# KiCad board polyPath.kicad_pcb
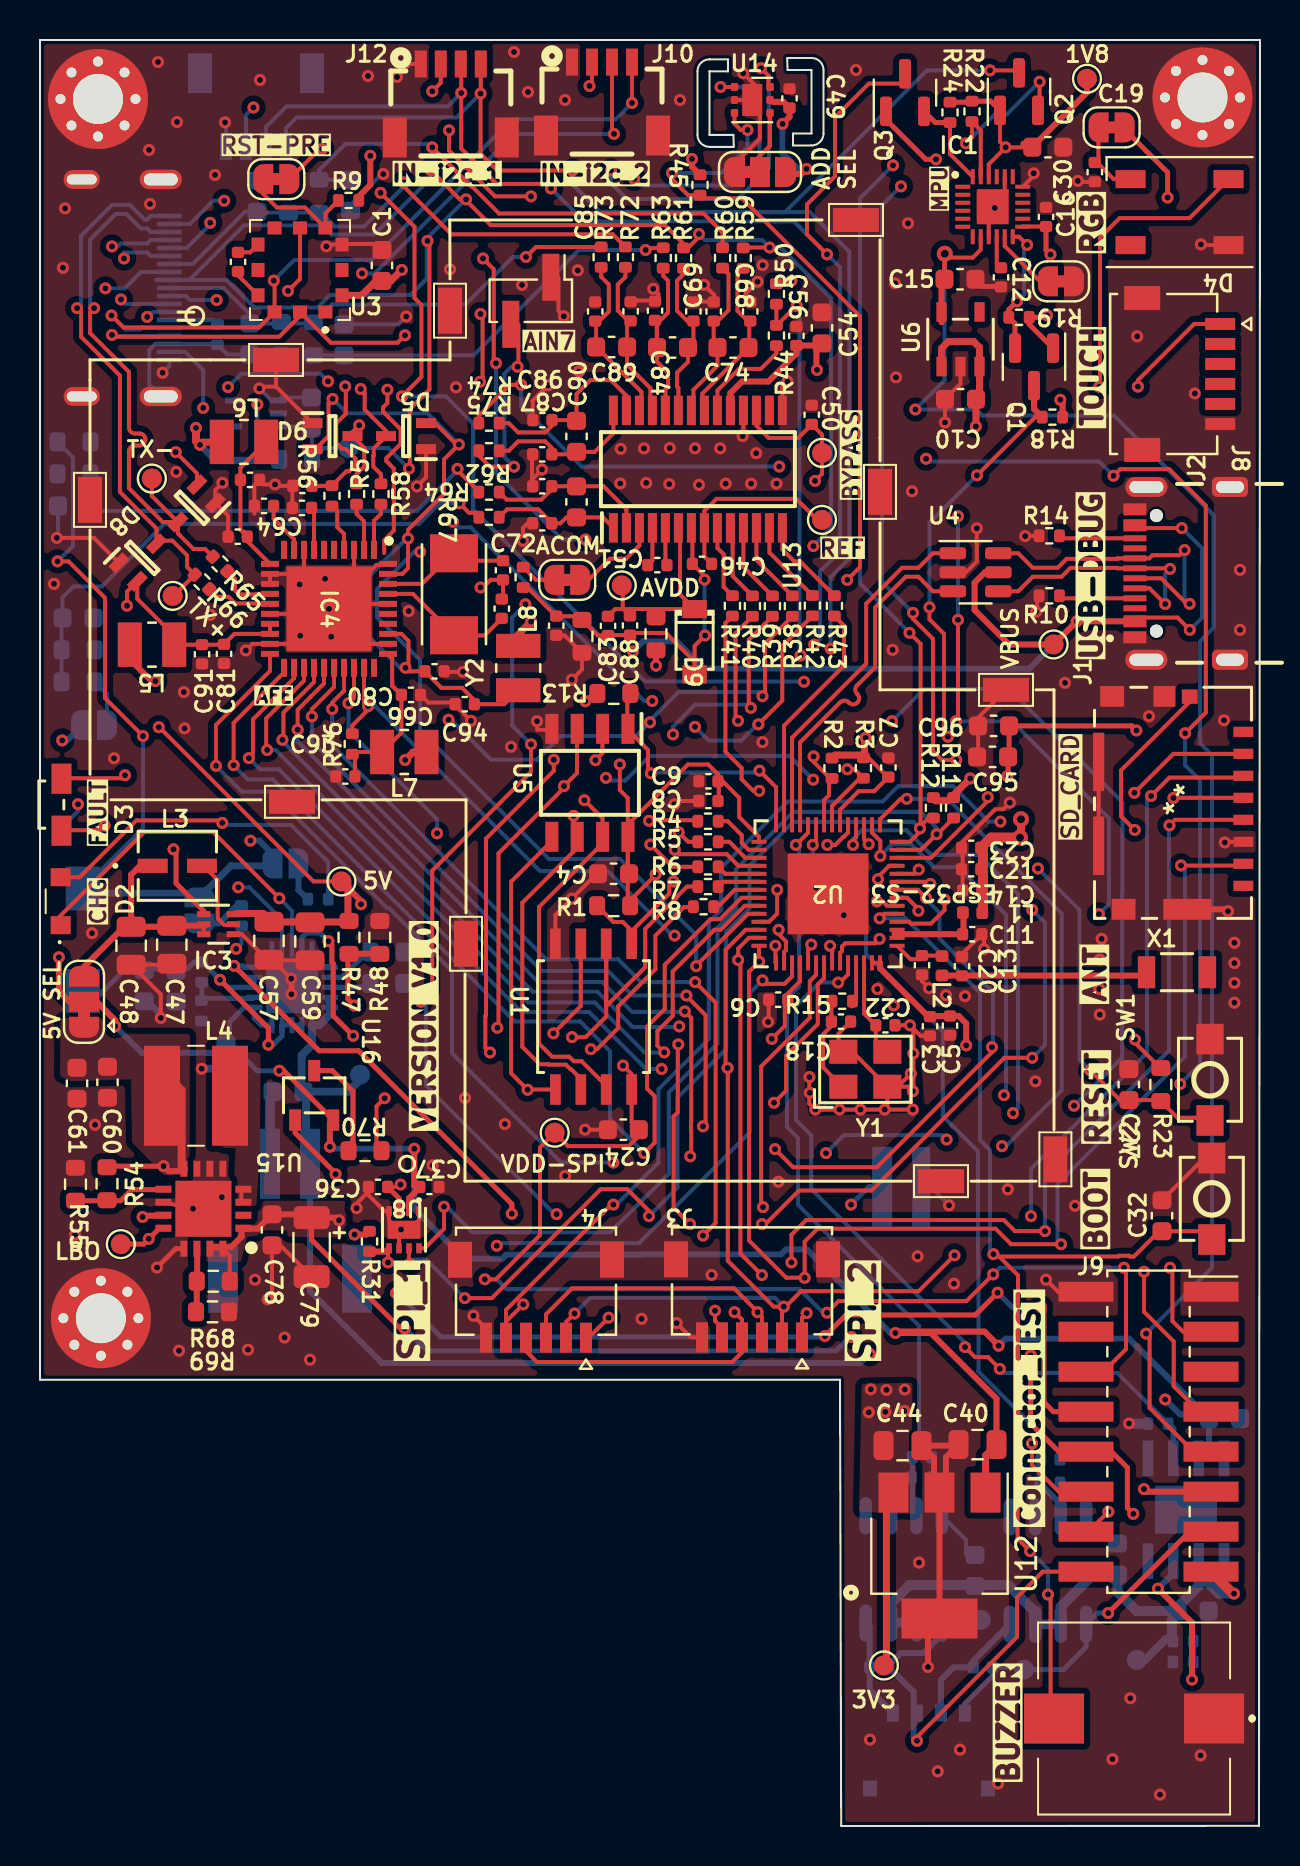
[diagram p0: board, top side]
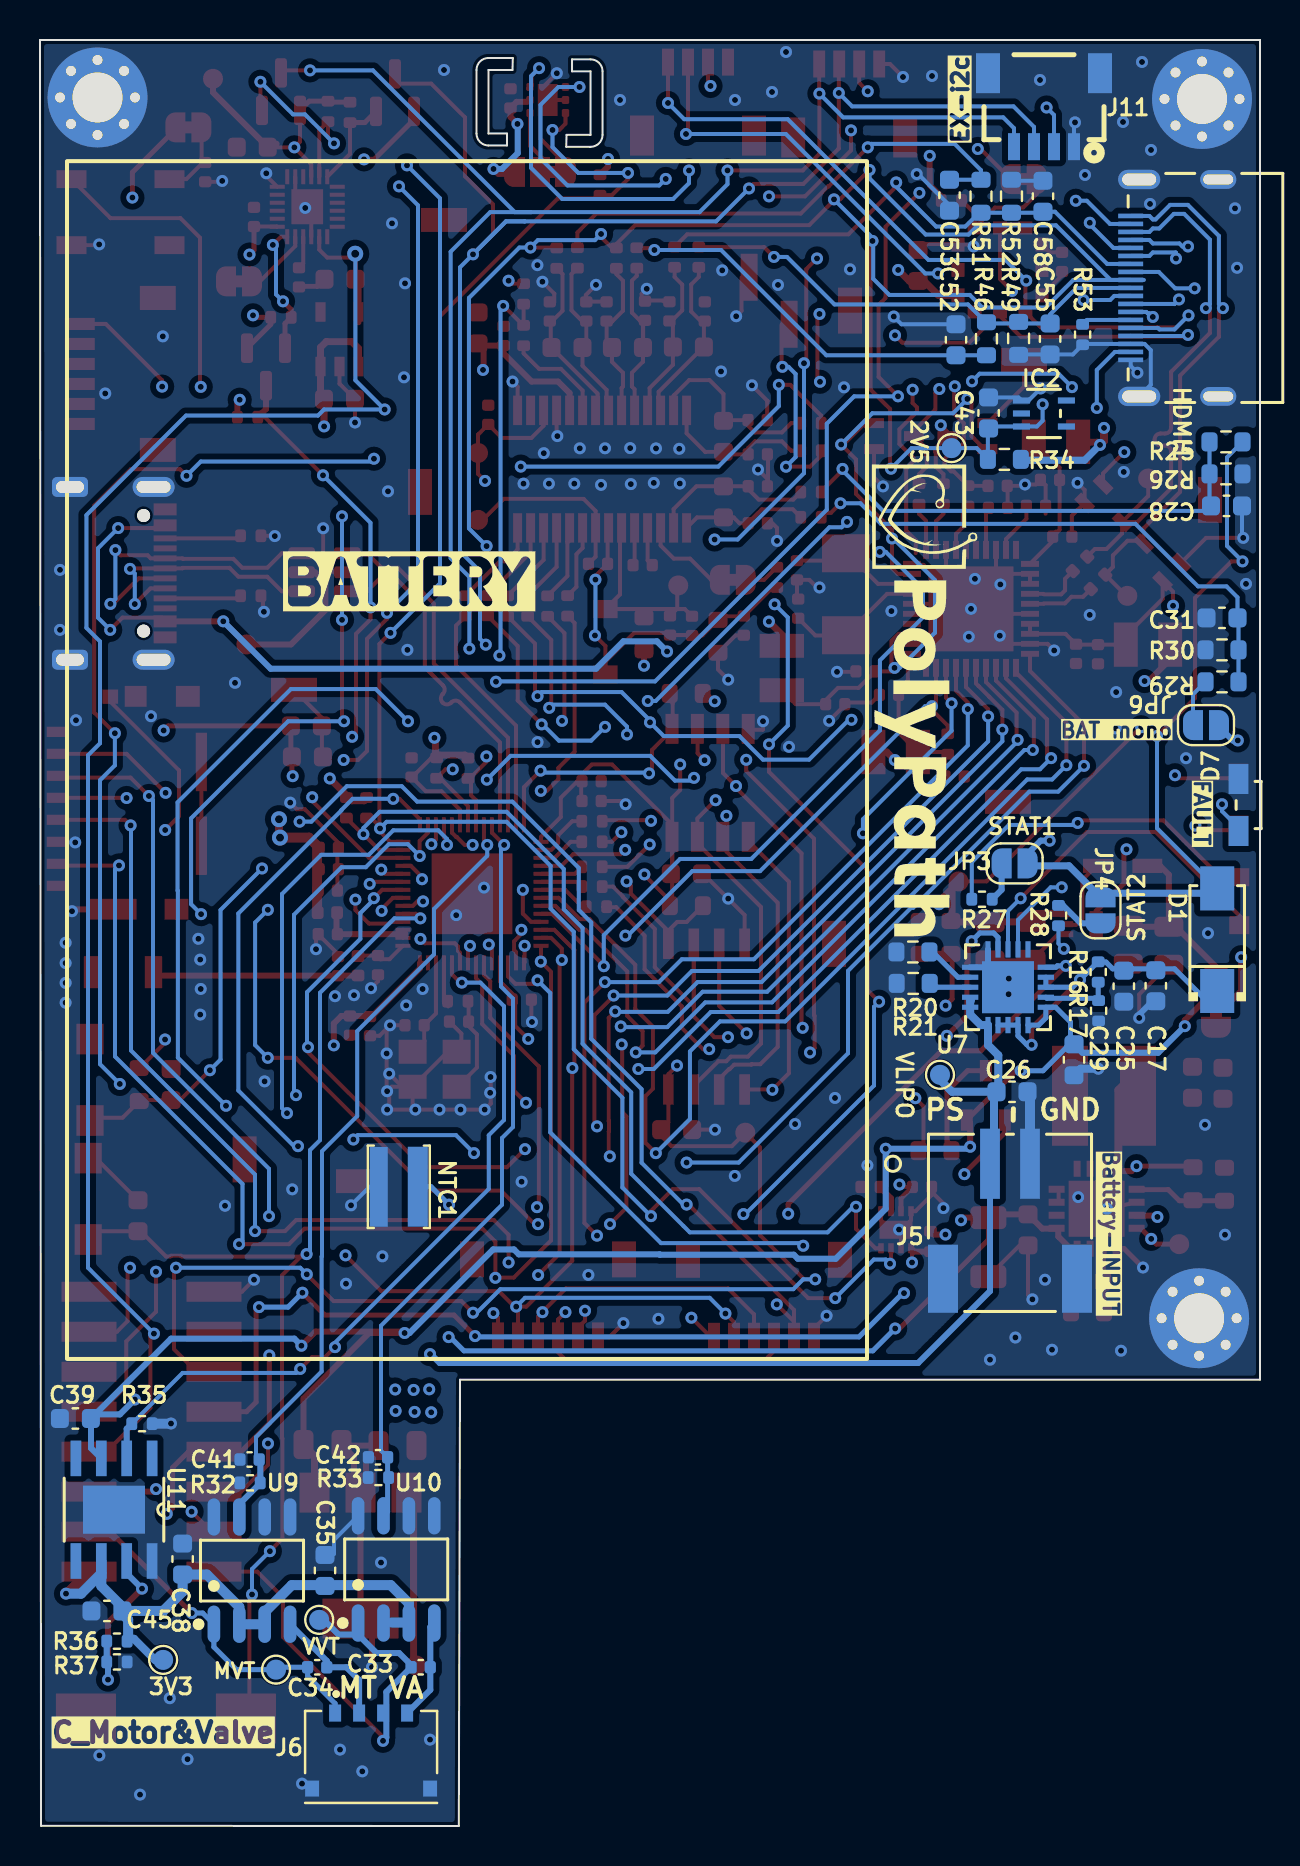
[diagram p1: board, bottom side, seen from below]

Outline 61 x 89.32 mm; copper layers: Top, In1.Cu, In2.Cu, Bottom. Coordinates in mm from the lower left corner of the outline.
Outline path: 0,89.32 0,22.32 40,22.32 40.06,0 60.95,0.01 61,89.32 0,89.32 ; 32.87,87.75 arc(33.05,88.18) 33.47,88.35 34.4,88.35 34.4,87.75 33.47,87.75 33.47,84.58 34.67,84.58 34.69,83.98 33.47,83.98 arc(33.05,84.15) 32.87,84.58 32.87,87.75 ; 37.36,88.42 37.38,87.82 38.58,87.82 38.58,84.64 37.65,84.64 37.65,84.04 38.58,84.04 arc(39,84.22) 39.18,84.64 39.18,87.82 arc(39,88.24) 38.58,88.42 37.36,88.42
Stack: Top 0.035mm / dielectric 0.11mm FR4 er 4.5 / In1.Cu 0.035mm / dielectric 1.13mm FR4 er 4.5 / In2.Cu 0.035mm / dielectric 0.11mm FR4 er 4.5 / Bottom 0.035mm

## Placement (name value [footprint] x y rotation side)
5V1  VBUS  [TestPoint_Pad_D1.0mm]  50.68 59.09 90 top
C1  CAP CER 0.1UF 10V X7R 0603  [C_0603_1608Metric]  17.1 78.04 90 top
C2  1000 pF ±10% 16V Ceramic Capacitor X7R 0402 (1005 Metric)  [C_0402_1005Metric]  9.9 78.22 270 top
C3  CAP CER 10nF 10V X7R 0402  [C_0402_1005Metric]  44.5 40 90 top
C4  CAP CER 0.1UF 10V X7R 0603  [C_0603_1608Metric]  28.68 47.62 180 top
C5  CAP CER 1UF 10V X5R 0402  [C_0402_1005Metric]  45.5 40.03 90 top
C6  CAP CER 0.1UF 10V X5R 0402  [C_0402_1005Metric]  36.91 41.33 180 top
C7  CAP CER 0.1UF 10V X5R 0402  [C_0402_1005Metric]  42.42 52.94 90 top
C8  CAP CER 0.1UF 10V X5R 0402  [C_0402_1005Metric]  33.42 51.26 180 top
C9  CAP CER 1UF 10V X5R 0402  [C_0402_1005Metric]  33.42 52.25 0 top
C10  CAP CER 10UF 16V X5R 0603  [C_0603_1608Metric]  46.03 71.35 180 top
C11  CAP CER 0.1UF 10V X5R 0402  [C_0402_1005Metric]  46.61 44.6 0 top
C12  CAP CER 0.1UF 16V X7R 0402  [C_0402_1005Metric]  48.05 77.45 270 top
C13  CAP CER 1.7PF 50V C0G/NP0 0402  [C_0402_1005Metric]  44.1 43.05 90 top
C14  CAP CER 0.1UF 10V X5R 0402  [C_0402_1005Metric]  46.61 46.78 180 top
C15  CAP CER 10UF 16V X5R 0603  [C_0603_1608Metric]  46 77.35 0 top
C16  CAP CER 0.1UF 16V X7R 0402  [C_0402_1005Metric]  50.3 80.47 90 top
C17  CAP CER 10UF 10V X5R 0603  [C_0603_1608Metric]  5.21 42.02 270 bottom
C18  CAP CER 16PF 50V C0G/NP0 0402  [C_0402_1005Metric]  40.05 40.23 180 top
C19  CAP CER 0.1UF 10V X7R 0603  [C_0603_1608Metric]  50.39 83.96 0 top
C20  CAP CER 1.7PF 50V C0G/NP0 0402  [C_0402_1005Metric]  46.1 43 270 top
C21  CAP CER 1UF 10V X5R 0402  [C_0402_1005Metric]  46.56 47.85 0 top
C22  CAP CER 16PF 50V C0G/NP0 0402  [C_0402_1005Metric]  42.27 40.05 180 top
C23  CAP CER 10UF 10V X5R 0402  [C_0402_1005Metric]  46.56 48.92 180 top
C24  CAP CER 0.1UF 10V X7R 0603  [C_0603_1608Metric]  29.17 34.82 180 top
C25  CAP CER 10UF 10V X5R 0603  [C_0603_1608Metric]  6.81 42 270 bottom
C26  CAP CER 10UF 10V X5R 0603  [C_0603_1608Metric]  12.4 36.72 180 bottom
C27  1 µF ±10% 10V Ceramic Capacitor X7R 0603  [C_0603_1608Metric]  54.44 37.08 270 top
C28  CAP CER 0.1UF 10V X7R 0603  [C_0603_1608Metric]  1.67 66.02 180 bottom
C29  CAP CER 10UF 10V X5R 0603  [C_0603_1608Metric]  9.3 38.32 270 bottom
C30  CAP CER 0.1UF 10V X5R 0402  [C_0402_1005Metric]  52.74 82.71 90 top
C31  CAP CER 0.1UF 10V X7R 0603  [C_0603_1608Metric]  1.9 60.42 0 bottom
C32  CAP CER 0.1UF 10V X7R 0603  [C_0603_1608Metric]  56.1 30.52 90 top
C33  CAP CER 0.1UF 16V X7R 0402  [C_0402_1005Metric]  41.97 7.94 0 bottom
C34  CAP CER 0.1UF 16V X7R 0402  [C_0402_1005Metric]  47.14 7.94 0 bottom
C35  CAP CER 10UF 16V X5R 0603  [C_0603_1608Metric]  46.75 12.78 90 bottom
C36  CAP CER 0.1UF 10V X5R 0402  [C_0402_1005Metric]  16.9 31.96 180 top
C37  CAP CER 0.1UF 10V X5R 0402  [C_0402_1005Metric]  19.47 31.96 180 top
C38  CAP CER 0.1UF 10V X7R 0603  [C_0603_1608Metric]  53.87 13.35 90 bottom
C39  CAP CER 10UF 10V X5R 0603  [C_0603_1608Metric]  59.23 20.38 0 bottom
C40  4.7u  [C_0805_2012Metric]  46.88 19.08 180 top
C41  CAP CER 0.1UF 16V X7R 0402  [C_0402_1005Metric]  50.52 18.33 0 bottom
C42  CAP CER 0.1UF 16V X7R 0402  [C_0402_1005Metric]  44.1 18.44 0 bottom
C43  CAP CER 1UF 10V X7R 0603  [C_0603_1608Metric]  13.57 70.67 270 bottom
C44  4.7u  [C_0805_2012Metric]  43.12 19.03 0 top
C45  CAP CER 10UF 10V X5R 0603  [C_0603_1608Metric]  57.65 10.75 0 bottom
C46  CAP CER 1UF 10V X5R 0402  [C_0402_1005Metric]  33.1 63.12 180 top
C47  10V 10uF X5R ±10% 0805  [C_0805_2012Metric]  6.59 44.07 270 top
C48  10V 10uF X5R ±10% 0805  [C_0805_2012Metric]  4.56 44.02 270 top
C49  CAP CER 0.1UF 10V X5R 0402  [C_0402_1005Metric]  37.47 86.4 270 top
C50  CAP CER 1UF 10V X5R 0402  [C_0402_1005Metric]  38.59 70.58 270 top
C51  CAP CER 4700PF 50V X7R 0402  [C_0402_1005Metric]  30.87 63.06 180 top
C52  CAP CER 10UF 10V X5R 0603  [C_0603_1608Metric]  15.2 74.33 90 bottom
C53  CAP CER 10UF 10V X5R 0603  [C_0603_1608Metric]  15.52 81.56 270 bottom
C54  CAP CER 0.1UF 10V X7R 0603  [C_0603_1608Metric]  39.1 74.92 90 top
C55  CAP CER 0.1UF 10V X7R 0603  [C_0603_1608Metric]  10.49 74.37 270 bottom
C56  CAP CER 1UF 10V X5R 0402  [C_0402_1005Metric]  37.82 74.52 270 top
C57  CAP CER 10UF 10V X5R 0805  [C_0805_2012Metric]  11.45 44.27 270 top
C58  CAP CER 0.1UF 10V X7R 0603  [C_0603_1608Metric]  10.85 81.51 90 bottom
C59  CAP CER 10UF 10V X5R 0805  [C_0805_2012Metric]  13.5 44.24 270 top
C60  CAP CER 10UF 10V X5R 0603  [C_0603_1608Metric]  1.85 37.14 270 top
C61  CAP CER 0.1UF 10V X7R 0603  [C_0603_1608Metric]  3.38 37.19 270 top
C62  CAP CER 10000PF 10V X7R 0402  [C_0402_1005Metric]  13.12 67.02 0 top
C63  CAP CER 2.2UF 10V X5R 0402  [C_0402_1005Metric]  13.1 65.92 0 top
C64  CAP CER 2.2UF 10V X5R 0402  [C_0402_1005Metric]  11.2 66.02 180 top
C65  0.1uF  10V X5R 0402  [C_0402_1005Metric]  9.89 64.48 0 top
C66  0.1uF  10V X5R 0402  [C_0402_1005Metric]  19.72 57.75 180 top
C67  CAP CER 18PF 50V C0G/NPO 0402  [C_0402_1005Metric]  23.15 62.8 90 top
C68  CAP CER 150PF 50V C0G/NPO 0402  [C_0402_1005Metric]  35.51 75.74 270 top
C69  CAP CER 150PF 50V C0G/NPO 0402  [C_0402_1005Metric]  33.68 75.74 90 top
C70  CAP CER 150PF 50V C0G/NPO 0402  [C_0402_1005Metric]  32.67 75.74 270 top
C71  CAP CER 150PF 50V C0G/NPO 0402  [C_0402_1005Metric]  30.75 75.78 90 top
C72  CAP CER 150PF 50V C0G/NPO 0402  [C_0402_1005Metric]  25.11 65.15 0 top
C73  CAP CER 150PF 50V C0G/NPO 0402  [C_0402_1005Metric]  25.11 67 180 top
C74  CAP CER 1600PF 50V C0G/NP0 0603  [C_0603_1608Metric]  34.65 73.94 0 top
C75  CAP CER 1600PF 50V C0G/NP0 0603  [C_0603_1608Metric]  26.83 66.22 270 top
C76  CAP CER 1600PF 50V C0G/NP0 0603  [C_0603_1608Metric]  31.63 73.94 0 top
C77  CAP CER 18PF 50V C0G/NPO 0402  [C_0402_1005Metric]  23.09 60.88 90 top
C78  CAP CER 2.2UF 6.3V X7R 0603  [C_0603_1608Metric]  11.6 29.81 270 top
C79  100 µF Molded Tantalum Capacitors 6.3 V 1206  [C_1206_3216Metric]  13.58 28.95 270 top
C80  0.1uF  10V X5R 0402  [C_0402_1005Metric]  18.55 56.57 180 top
C81  CAP CER 1UF 10V X5R 0402  [C_0402_1005Metric]  9.2 58.62 90 top
C82  CAP CER 0.1UF 16V X7R 0402  [C_0402_1005Metric]  25.81 60.03 90 top
C83  CAP CER 1UF 10V X5R 0402  [C_0402_1005Metric]  28.4 60.02 90 top
C84  CAP CER 150PF 50V C0G/NPO 0402  [C_0402_1005Metric]  29.53 75.75 270 top
C85  CAP CER 150PF 50V C0G/NPO 0402  [C_0402_1005Metric]  27.76 75.74 90 top
C86  CAP CER 150PF 50V C0G/NPO 0402  [C_0402_1005Metric]  25.12 70.31 0 top
C87  CAP CER 150PF 50V C0G/NPO 0402  [C_0402_1005Metric]  25.11 68.6 180 top
C88  CAP CER 0.1UF 16V X7R 0402  [C_0402_1005Metric]  29.5 60.04 90 top
C89  CAP CER 1600PF 50V C0G/NP0 0603  [C_0603_1608Metric]  28.58 73.97 0 top
C90  CAP CER 1600PF 50V C0G/NP0 0603  [C_0603_1608Metric]  26.83 69.5 90 top
C91  CAP CER 10UF 6.3V X5R 0402  [C_0402_1005Metric]  8.1 58.6 90 top
C92  CAP CER 10UF 6.3V X5R 0402  [C_0402_1005Metric]  10.5 67.32 180 top
C93  CAP CER 10UF 6.3V X5R 0402  [C_0402_1005Metric]  15.27 52.49 0 top
C94  Cap 10UF 6.3V X5R 0402  [C_0402_1005Metric]  21.24 56.1 0 top
C95  CAP CER 0.1UF 10V X7R 0603  [C_0603_1608Metric]  47.63 53.47 180 top
C96  CAP CER 4.7UF 10V X5R 0603  [C_0603_1608Metric]  47.68 55.02 180 top
D1  SS14 - DIODE SCHOTTKY 40V 1A DO214AC  [SS1-DIODE-SHOTKKY]  2.14 44.33 90 bottom
D2  LED ORANGE CLEAR 2SMD R/A  [led orange]  1.28 46.25 90 top
D3  LED-RED  [LED_RED]  0.57 51.08 90 top
D4  Adafruit Accessories NeoPixel RGB 5050 LED 100 Pack  [LED_WS2812B_PLCC4_5.0x5.0mm_P3.2mm]  56.98 80.71 180 top
D5  -  [BAV99W-7-F]  18.3 69.51 180 top
D6  -  [BAV99W-7-F]  14.63 69.51 0 top
D7  LED-RED  [LED_RED]  0.57 51.06 270 bottom
D8  -  [BAV99W-7-F]  7.6 65.92 225 top
D9  MMSZ5232BT1G DIODE ZENER 5.6V 500MW SOD123  [DIODE-ZENER-ADS1263]  32.73 59.22 270 top
D10  -  [BAV99W-7-F]  5.11 63.42 45 top
G***  LOGO  [logo 2]  17.53 56.21 270 bottom
H1  MountingHole_Pad  [MountingHole_2.5mm_Pad_Via]  2.9 86.37 0 top
H2  MountingHole_Pad  [MountingHole_2.5mm_Pad_Via]  58.12 86.45 0 top
H3  MountingHole_Pad  [MountingHole_2.5mm_Pad_Via]  3.04 25.39 0 top
HDMI1  CONN RCPT MINI HDMI 19POS SMD RA  [OLD-VERSIONHDMI-MINI]  2.73 76.92 90 bottom
IC1  Accelerometer, Gyroscope, Magnetometer, 9 Axis Sensor I2C, SPI Output  [mpu]  47.64 80.98 0 top
IC2  Shunt Voltage Reference IC Fixed 2.5V V ±0.1% 15 mA  [LM4040A25IDCKR]  10.8 70.64 180 bottom
IC3  TPS61023DRLR IC REG BOOST ADJ 3A  [TPS61023DRLR]  8.93 45.1 0 top
IC4  AFE4490RHAT IC AFE 1 CHAN 22BIT 40VQFN  [MOUSER-AFE]  14.45 60.87 270 top
J1  9 (8 + 1) Position Card Connector Secure Digital - microSD™ Surface Mount,  [sdcard-2]  56.65 51.17 90 top
J2  CONN RCP USB2.0 TYP C 24P SMD RA  [GCT_USB4105GFA120]  59.5 62.65 90 top
J3  CONN HEADER SMD R/A 6POS 1MM  [spi-molex-connectr]  35.6 26.99 180 top
J4  CONN HEADER SMD R/A 6POS 1MM  [spi-molex-connectr]  24.8 26.97 180 top
J5  CONN HEADER SMD R/A 2POS 2MM  [CONNECTOR-BATTERY-S2B-PH-SM4-TB]  12.5 30.16 180 bottom
J6  Connector Header Surface Mount 4 position 0.047" (1.20mm)  [Connector-motor-valve]  44.44 5.65 180 bottom
J7  Conn_01x02_Pin  [PinHeader_1x02_P2.00mm_Vertical_SMD_Pin1Left]  24.54 76.28 270 top
J8  CONN HEADER SMD R/A 6POS 1MM  [spi-molex-connectr]  56.46 72.62 270 top
J9  Conn_02x08_Counter_Clockwise  [PinSocket_2x08_P2.00mm_Vertical_SMD]  55.43 19.72 0 top
J10  SparkFun Accessories Qwiic JST Connector- SMD 4-pin  [STEMMA]  28.1 88.22 0 top
J11  SparkFun Accessories Qwiic JST Connector- SMD 4-pin  [STEMMA#2]  10.8 83.98 0 bottom
J12  SparkFun Accessories Qwiic JST Connector- SMD 4-pin  [STEMMA]  20.54 88.12 0 top
JP1  Jumper_2_close  [SolderJumper-2_P1.3mm_Bridged_RoundedPad1.0x1.5mm]  11.82 82.36 180 top
JP2  Jumper_2_close  [SolderJumper-2_P1.3mm_Bridged_RoundedPad1.0x1.5mm]  51.05 77.25 0 top
JP3  Jumper_2_Open  [SolderJumper-2_P1.3mm_Open_RoundedPad1.0x1.5mm]  12.27 48.14 0 bottom
JP4  Jumper_2_Open  [SolderJumper-2_P1.3mm_Open_RoundedPad1.0x1.5mm]  7.97 45.8 270 bottom
JP5  Jumper_2_close  [SolderJumper-2_P1.3mm_Bridged_RoundedPad1.0x1.5mm]  53.58 84.95 180 top
JP6  Jumper_2_Open  [SolderJumper-2_P1.3mm_Open_RoundedPad1.0x1.5mm]  2.7 55.06 180 bottom
JP7  Jumper_3_Open  [SolderJumper-3_P1.3mm_Bridged12_RoundedPad1.0x1.5mm]  2.2 41.22 90 top
JP8  Jumper_3_Open  [SolderJumper-3_P1.3mm_Bridged12_RoundedPad1.0x1.5mm_NumberLabels]  36 82.72 0 top
JP9  Jumper_2_CLOSE  [SolderJumper-2_P1.3mm_Bridged_RoundedPad1.0x1.5mm]  26.36 62.32 0 top
L1  FIXED IND 2NH 900MA 100 MOHM SMD  [L_0402_1005Metric]  46.63 45.68 180 top
L2  FIXED IND 1.9NH 1A 50 MOHM SMD  [L_0402_1005Metric]  45.1 43.02 270 top
L3  FIXED IND 470NH 6.7A 15 MOHM SMD  [inductor-470nH-TPS1]  6.87 48.02 0 top
L4  FIXED IND 6.8UH 2.5A 43 MOHM SMD  [INDUCTOEBOOST2-MOUSER]  7.8 36.52 0 top
L5  FIXED IND 10UH 750MA 650MOHM SMD  [INDCTOR-AFE]  5.6 59.08 180 top
L6  FIXED IND 10UH 750MA 650MOHM SMD  [INDCTOR-AFE]  10.2 69.22 180 top
L7  FIXED IND 10UH 750MA 650MOHM SMD  [INDCTOR-AFE]  18.22 53.71 0 top
L8  FIXED IND 10UH 750MA 650MOHM SMD  [INDCTOR-AFE]  23.91 57.91 90 top
LS1  CMI-9653S-SMT-TR  [CMI9653SSMTTR]  54.95 5.37 180 top
MP1  S0911-46R  [cagefaraday2]  50.77 33.34 270 top
MP2  S0911-46R  [cagefaraday2]  48.3 56.82 180 top
MP3  S0911-46R  [cagefaraday2]  2.5 66.32 90 top
MP4  S0911-46R  [cagefaraday2]  21.3 44.12 90 top
MP5  S0911-46R  [cagefaraday2]  40.8 80.32 0 top
MP6  S0911-46R  [cagefaraday2]  45.05 32.25 180 top
MP7  S0911-46R  [cagefaraday2]  42 66.72 90 top
MP8  S0911-46R  [cagefaraday2]  20.5 75.78 90 top
MP9  S0911-46R  [cagefaraday2]  12.6 51.22 0 top
MP10  S0911-46R  [cagefaraday2]  11.8 73.32 0 top
NTC1  ULTRA THIN 10K THERMISTOR - B395  [PinHeader_2x01_P2.00mm_Vertical_SMD]  43.21 31.97 270 bottom
Q1  BSS138 N-CHANNEL ENHANCEMENT MODE MOSFE  [SOT-23]  49.7 72.97 270 top
Q2  BSS138 N-CHANNEL ENHANCEMENT MODE MOSFE  [SOT-23]  48.95 86.74 90 top
Q3  BSS138 N-CHANNEL ENHANCEMENT MODE MOSFE  [SOT-23]  43.25 86.69 90 top
R1  RES SMD 100K OHM 0.1% 1/10W 0603  [R_0603_1608Metric]  28.68 46.02 0 top
R2  RES 10K OHM 1% 1/16W 0402  [R_0402_1005Metric]  39.6 52.9 270 top
R3  RES 10K OHM 1% 1/16W 0402  [R_0402_1005Metric]  41.17 52.91 270 top
R4  RES 0 OHM JUMPER 1/10W 0402  [R_0402_1005Metric]  33.4 50.25 0 top
R5  RES 0 OHM JUMPER 1/10W 0402  [R_0402_1005Metric]  33.4 49.22 0 top
R6  RES 0 OHM JUMPER 1/10W 0402  [R_0402_1005Metric]  33.4 47.97 0 top
R7  RES 0 OHM JUMPER 1/10W 0402  [R_0402_1005Metric]  33.4 46.98 0 top
R8  RES 0 OHM JUMPER 1/10W 0402  [R_0402_1005Metric]  33.18 45.98 0 top
R9  RES 2.2K OHM 1% 1/16W 0402  [R_0402_1005Metric]  15.43 81.3 0 top
R10  RES SMD 5.1K OHM 5% 1/16W 0402  [R_0402_1005Metric]  50.46 61.52 0 top
R11  RES 10K OHM 1% 1/16W 0402  [R_0402_1005Metric]  45.68 50.92 270 top
R12  RES 10K OHM 1% 1/16W 0402  [R_0402_1005Metric]  44.67 50.92 270 top
R13  RES SMD 100K OHM 0.1% 1/10W 0603  [R_0603_1608Metric]  28.69 56.64 180 top
R14  RES SMD 5.1K OHM 5% 1/16W 0402  [R_0402_1005Metric]  50.46 64.52 0 top
R15  RES 0 OHM JUMPER 1/10W 0402  [R_0402_1005Metric]  40.11 41.25 180 top
R16  RES 270K OHM 1% 1/16W 0402  [R_0402_1005Metric]  8.09 42.71 270 bottom
R17  RES 100K OHM 1% 1/16W 0402  [R_0402_1005Metric]  8.07 40.77 270 bottom
R18  RES 4.7K OHM 5% 1/16W 0402  [R_0402_1005Metric]  50.62 70.46 180 top
R19  RES 4.7K OHM 5% 1/16W 0402  [R_0402_1005Metric]  48.95 75.45 180 top
R20  RES SMD 1K OHM 1% 1/10W 0603  [R_0603_1608Metric]  17.34 42.14 180 bottom
R21  RES SMD 100K OHM 0.1% 1/10W 0603  [R_0603_1608Metric]  17.35 43.71 180 bottom
R22  RES 10K OHM 1% 1/16W 0402  [R_0402_1005Metric]  46.6 85.75 270 top
R23  RES 10K OHM 1% 1/10W 0603  [R_0603_1608Metric]  56.04 37.08 270 top
R24  RES 10K OHM 1% 1/16W 0402  [R_0402_1005Metric]  45.5 85.7 270 top
R25  RES 3.3K OHM 1% 1/10W 0603  [R_0603_1608Metric]  1.7 69.22 0 bottom
R26  RES 2K OHM 1% 1/10W 0603  [R_0603_1608Metric]  1.7 67.62 180 bottom
R27  RES 1K OHM 1% 1/16W 0402  [R_0402_1005Metric]  13.9 46.35 0 bottom
R28  RES 1K OHM 1% 1/16W 0402  [R_0402_1005Metric]  10.08 45.53 270 bottom
R29  RES 442K OHM 1% 1/10W 0603  [R_0603_1608Metric]  1.9 57.22 180 bottom
R30  RES 160K OHM 1% 1/10W 0603  [R_0603_1608Metric]  1.9 58.82 0 bottom
R31  RES 10K OHM 1% 1/16W 0402  [R_0402_1005Metric]  16.47 29.23 270 top
R32  RES 10K OHM 1% 1/16W 0402  [R_0402_1005Metric]  50.5 17.16 0 bottom
R33  RES 10K OHM 1% 1/16W 0402  [R_0402_1005Metric]  44.08 17.43 0 bottom
R34  RES 330 OHM 1% 1/10W 0603  [R_0603_1608Metric]  12.78 68.35 0 bottom
R35  RES 10K OHM 1% 1/16W 0402  [R_0402_1005Metric]  55.9 20.12 180 bottom
R36  RES 169K OHM 1% 1/16W 0402  [R_0402_1005Metric]  57.15 9.25 0 bottom
R37  RES 30.1K OHM 0.1% 0.13W 0402  [R_0402_1005Metric]  57.15 8.21 180 bottom
R38  RES 47 OHM 1% 1/16W 0402  [R_0402_1005Metric]  37.62 61.01 90 top
R39  RES 47 OHM 1% 1/16W 0402  [R_0402_1005Metric]  36.62 61.01 90 top
R40  RES 47 OHM 1% 1/16W 0402  [R_0402_1005Metric]  35.62 61.01 270 top
R41  RES 47 OHM 1% 1/16W 0402  [R_0402_1005Metric]  34.62 61.02 270 top
R42  RES 47 OHM 1% 1/16W 0402  [R_0402_1005Metric]  38.62 61.03 270 top
R43  RES 47 OHM 1% 1/16W 0402  [R_0402_1005Metric]  39.72 61.02 270 top
R44  RES 47 OHM 1% 1/16W 0402  [R_0402_1005Metric]  36.82 74.54 90 top
R45  RES 5K OHM 1% 1/16W 0402  [R_0402_1005Metric]  33 82.07 270 top
R46  RES 4.99K OHM 0.1% 0.21W 0603  [R_0603_1608Metric]  13.68 74.38 90 bottom
R47  RES SMD 732K OHM 1% 1/10W 0603  [R_0603_1608Metric]  15.45 44.44 270 top
R48  RES 100K OHM 1% 1/10W 0603  [R_0603_1608Metric]  16.99 44.44 90 top
R49  RES 36K OHM 0.1% 0.21W 0603  [R_0603_1608Metric]  12.07 74.4 270 bottom
R50  RES 10K OHM 1% 1/16W 0402  [R_0402_1005Metric]  36.82 76.62 90 top
R51  RES 4.99K OHM 0.1% 0.21W 0603  [R_0603_1608Metric]  13.95 81.51 270 bottom
R52  RES 36K OHM 0.1% 0.21W 0603  [R_0603_1608Metric]  12.43 81.51 90 bottom
R53  RES 1M OHM 1% 1/16W 0402  [R_0402_1005Metric]  8.87 74.59 270 bottom
R54  RES SMD 1.87M OHM 1% 1/10W 0603  [R_0603_1608Metric]  3.35 32.12 90 top
R55  RES 340K OHM 1% 1/10W 0603  [R_0603_1608Metric]  1.78 32.09 270 top
R56  RES 1K OHM 1% 1/16W 0402  [R_0402_1005Metric]  14.6 66.52 270 top
R57  RES 0 OHM JUMPER 1/16W 0402  [R_0402_1005Metric]  15.83 66.61 90 top
R58  RES 0 OHM JUMPER 1/16W 0402  [R_0402_1005Metric]  17.05 66.61 90 top
R59  RES 1K OHM 0.1% 0.13W 0402  [R_0402_1005Metric]  35.16 78.41 90 top
R60  RES 1K OHM 0.1% 0.13W 0402  [R_0402_1005Metric]  34.13 78.42 90 top
R61  RES 1K OHM 0.1% 0.13W 0402  [R_0402_1005Metric]  32.18 78.41 90 top
R62  RES 1K OHM 0.1% 0.13W 0402  [R_0402_1005Metric]  22.45 65.45 180 top
R63  RES 1K OHM 0.1% 0.13W 0402  [R_0402_1005Metric]  31.16 78.42 90 top
R64  RES 1K OHM 0.1% 0.13W 0402  [R_0402_1005Metric]  22.45 66.71 180 top
R65  RES 0 OHM JUMPER 1/16W 0402  [R_0402_1005Metric]  9 63.12 315 top
R66  RES 0 OHM JUMPER 1/16W 0402  [R_0402_1005Metric]  8.1 62.22 315 top
R67  RES 1K OHM 0.1% 0.13W 0402  [R_0402_1005Metric]  24.16 62.45 270 top
R68  RES 1.8M OHM 5% 1/10W 0603  [R_0603_1608Metric]  8.66 27.25 0 top
R69  RES SMD 200KOHM 0.05% 1/10W 0603  [R_0603_1608Metric]  8.62 25.72 180 top
R70  RES SMD 1K OHM 1% 1/10W 0603  [R_0603_1608Metric]  16.25 33.77 180 top
R71  RES 0 OHM JUMPER 1/10W 0603  [R_0603_1608Metric]  27.1 59.5 90 top
R72  RES 1K OHM 0.1% 0.13W 0402  [R_0402_1005Metric]  29.27 78.46 90 top
R73  RES 1K OHM 0.1% 0.13W 0402  [R_0402_1005Metric]  28.06 78.46 90 top
R74  RES 1K OHM 0.1% 0.13W 0402  [R_0402_1005Metric]  22.45 70.16 180 top
R75  RES 1K OHM 0.1% 0.13W 0402  [R_0402_1005Metric]  22.45 68.78 180 top
R76  RES 10K OHM 1% 1/16W 0402  [R_0402_1005Metric]  15.62 54.11 90 top
R77  RES 0 OHM JUMPER 1/10W 0603  [R_0603_1608Metric]  30.8 59.62 270 top
SW1  SW RESET  [BUTTON_C557591_JLCPCB]  58.5 37.32 90 top
SW2  SW BOOT  [BUTTON_C557591_JLCPCB]  58.59 31.36 90 top
TP1  VDD_SPI  [TestPoint_Pad_D1.0mm]  25.73 34.67 180 top
TP2  1V8  [TestPoint_Pad_D1.0mm]  52.35 87.38 0 top
TP3  VLIPO  [TestPoint_Pad_D1.0mm]  16 37.57 0 bottom
TP4  TVM  [TestPoint_Pad_D1.0mm]  49.2 7.82 180 bottom
TP5  TVV  [TestPoint_Pad_D1.0mm]  47.04 10.31 180 bottom
TP6  2.5V  [TestPoint_Pad_D1.0mm]  15.42 68.91 180 bottom
TP7  3.3V  [TestPoint_Pad_D1.0mm]  42.19 8.03 270 top
TP8  VM  [TestPoint_Pad_D1.0mm]  54.84 8.31 0 bottom
TP9  REF  [TestPoint_Pad_D1.0mm]  39.1 65.32 90 top
TP10  BYPASS  [TestPoint_Pad_D1.0mm]  39.1 68.67 90 top
TP11  5V  [TestPoint_Pad_D1.0mm]  15.07 47.24 0 top
TP12  LBO  [TestPoint_Pad_D1.0mm]  4.04 29.1 0 top
TP13  AVDD  [TestPoint_Pad_D1.0mm]  29.09 62.04 90 top
TP14  tx-  [TestPoint_Pad_D1.0mm]  5.59 67.39 0 top
TP15  tx+  [TestPoint_Pad_D1.0mm]  6.63 61.52 0 top
U1  IC FLASH 128MBIT SPI/QUAD 8SOIC  [W25Q128JVSIQ]  27.68 40.48 270 top
U2  -  [ESP32-S3]  39.4 46.62 180 top
U3  Pressure Sensor 25PSI (172.37kPa) Absolute Male  [MPRLS0025PA00001A]  13 77.82 0 top
U4  USBLC6-2SC6  [SOT-23-6]  46.78 62.7 0 top
U5  IC PSRAM 64MBIT SPI 133MHZ 8SOIC  [SRAM]  27.5 52.17 270 top
U6  MIC5225-1.8V Linear Voltage Regulator IC Positive Fixed 1 Output 150mA SOT-23-5  [MIC5225-1.8YM5-TR]  46.03 74.35 90 top
U7  MCP73871-2CCI/ML Charger IC Lithium Ion/Polymer 20-QFN (4x4)  [MCP73871-last-version]  12.6 41.95 0 bottom
U8  MAX17048G_ IC BATT MON LI-ION 1CELL 8TDFN  [MAX17048G+T10-C2682616-DFN-8_L2.0-W2.0-P0.50-BL-EP]  18.2 29.82 180 top
U9  L9110  [L9110-SOP-8_L4.9-W3.9-P1.27-LS6.0-BL]  50.4 12.77 180 bottom
U10  L9110  [L9110-SOP-8_L4.9-W3.9-P1.27-LS6.0-BL]  43.19 12.83 180 bottom
U11  TPS7A7001DDA Linear Voltage Regulator IC Positive Adjustable 1 Output 2A  [TPS7A7001DDA]  57.3 15.82 270 bottom
U12  AIC1221-33GY3TR  [SOT-223]  44.97 13.53 270 top
U13  ADS1263IPWR 32 Bit Analog to Digital Converter 5, 10 Input 1 Sigma-Delta 28-TSSOP  [ADS1263]  32.9 67.86 90 top
U14  TMP117xxDRV TEMPERATURE SENSOR  [WSON-6-1EP_2x2mm_P0.65mm_EP1x1.6mm]  35.61 86.32 0 top
U15  TPS61090RSAR  [TPS61090RSAR (2)]  8.17 30.87 180 top